# KiCad board alana-kb.kicad_pcb
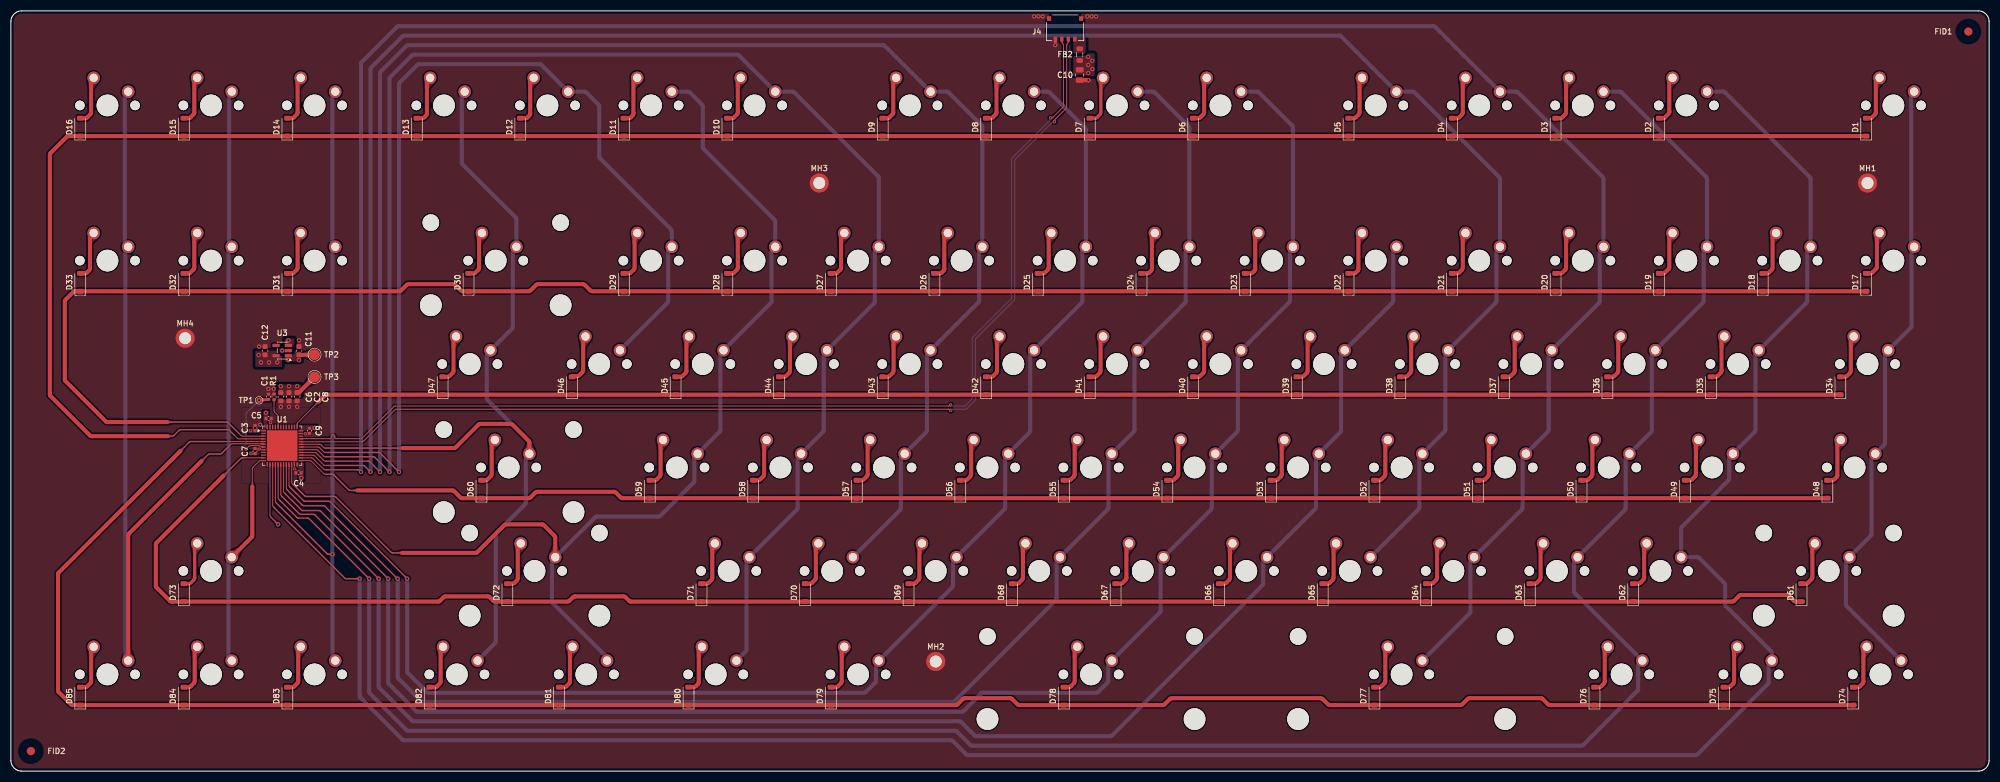
[diagram p0: board, top side]
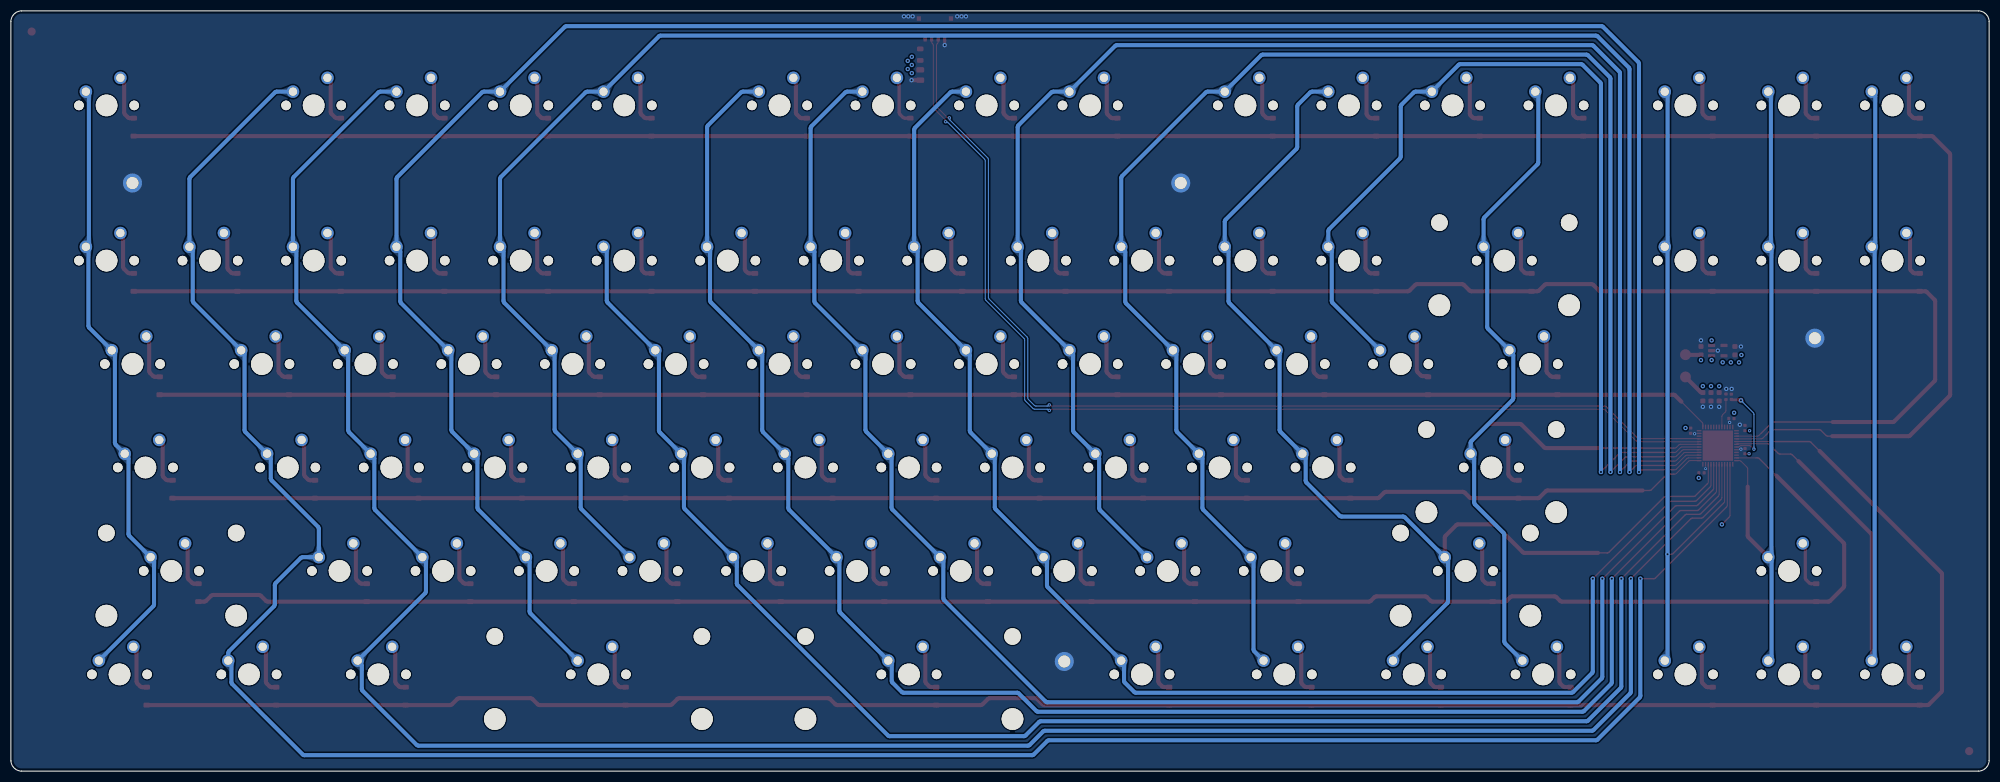
[diagram p1: board, bottom side, seen from below]

Outline 364 x 140 mm; copper layers: Top, In1.Cu, In2.Cu, Bottom. Coordinates in mm from the lower left corner of the outline.
Outline path: 0,138 arc(0.59,139.41) 2,140 362,140 arc(363.41,139.41) 364,138 364,2 arc(363.41,0.59) 362,0 2,0 arc(0.59,0.59) 0,2 0,138
Stack: Top 0.035mm / dielectric 0.1mm FR4 er 4.5 / In1.Cu 0.035mm / dielectric 1.24mm FR4 er 4.5 / In2.Cu 0.035mm / dielectric 0.1mm FR4 er 4.5 / Bottom 0.035mm

## Placement (name value [footprint] x y rotation side)
C1  0.1uF  [C_0402_1005Metric]  47.42 68.94 90 top
C2  4.7uF  [C_0603_1608Metric]  51.17 68.94 270 top
C3  0.1uF  [C_0402_1005Metric]  44.92 63.19 90 top
C4  0.1uF  [C_0402_1005Metric]  52.92 54.94 180 top
C5  0.1uF  [C_0402_1005Metric]  47.42 64.94 0 top
C6  1uF  [C_0603_1608Metric]  49.67 68.94 270 top
C7  10nF  [C_0402_1005Metric]  44.92 58.94 90 top
C8  4.7uF  [C_0603_1608Metric]  52.67 68.94 270 top
C9  0.1uF  [C_0402_1005Metric]  54.92 62.69 270 top
C10  10uF  [C_0805_2012Metric]  196.67 128.19 270 top
C11  1uF  [C_0603_1608Metric]  53.02 77.42 90 top
C12  1uF  [C_0603_1608Metric]  46.77 77.42 90 top
D1  1N4148W  [D_SOD-123]  341.39 118.59 90 top
D2  1N4148W  [D_SOD-123]  303.29 118.59 90 top
D3  1N4148W  [D_SOD-123]  284.24 118.59 90 top
D4  1N4148W  [D_SOD-123]  265.19 118.59 90 top
D5  1N4148W  [D_SOD-123]  246.14 118.59 90 top
D6  1N4148W  [D_SOD-123]  217.56 118.59 90 top
D7  1N4148W  [D_SOD-123]  198.51 118.59 90 top
D8  1N4148W  [D_SOD-123]  179.46 118.59 90 top
D9  1N4148W  [D_SOD-123]  160.41 118.59 90 top
D10  1N4148W  [D_SOD-123]  131.84 118.59 90 top
D11  1N4148W  [D_SOD-123]  112.79 118.59 90 top
D12  1N4148W  [D_SOD-123]  93.74 118.59 90 top
D13  1N4148W  [D_SOD-123]  74.69 118.59 90 top
D14  1N4148W  [D_SOD-123]  50.87 118.59 90 top
D15  1N4148W  [D_SOD-123]  31.82 118.59 90 top
D16  1N4148W  [D_SOD-123]  12.77 118.59 90 top
D17  1N4148W  [D_SOD-123]  341.39 90.01 90 top
D18  1N4148W  [D_SOD-123]  322.34 90.01 90 top
D19  1N4148W  [D_SOD-123]  303.29 90.01 90 top
D20  1N4148W  [D_SOD-123]  284.24 90.01 90 top
D21  1N4148W  [D_SOD-123]  265.19 90.01 90 top
D22  1N4148W  [D_SOD-123]  246.14 90.01 90 top
D23  1N4148W  [D_SOD-123]  227.09 90.01 90 top
D24  1N4148W  [D_SOD-123]  208.04 90.01 90 top
D25  1N4148W  [D_SOD-123]  188.99 90.01 90 top
D26  1N4148W  [D_SOD-123]  169.94 90.01 90 top
D27  1N4148W  [D_SOD-123]  150.89 90.01 90 top
D28  1N4148W  [D_SOD-123]  131.84 90.01 90 top
D29  1N4148W  [D_SOD-123]  112.79 90.01 90 top
D30  1N4148W  [D_SOD-123]  84.21 90.01 90 top
D31  1N4148W  [D_SOD-123]  50.87 90.01 90 top
D32  1N4148W  [D_SOD-123]  31.82 90.01 90 top
D33  1N4148W  [D_SOD-123]  12.77 90.01 90 top
D34  1N4148W  [D_SOD-123]  336.62 70.96 90 top
D35  1N4148W  [D_SOD-123]  312.81 70.96 90 top
D36  1N4148W  [D_SOD-123]  293.76 70.96 90 top
D37  1N4148W  [D_SOD-123]  274.71 70.96 90 top
D38  1N4148W  [D_SOD-123]  255.66 70.96 90 top
D39  1N4148W  [D_SOD-123]  236.61 70.96 90 top
D40  1N4148W  [D_SOD-123]  217.56 70.96 90 top
D41  1N4148W  [D_SOD-123]  198.51 70.96 90 top
D42  1N4148W  [D_SOD-123]  179.46 70.96 90 top
D43  1N4148W  [D_SOD-123]  160.41 70.96 90 top
D44  1N4148W  [D_SOD-123]  141.36 70.96 90 top
D45  1N4148W  [D_SOD-123]  122.31 70.96 90 top
D46  1N4148W  [D_SOD-123]  103.26 70.96 90 top
D47  1N4148W  [D_SOD-123]  79.45 70.96 90 top
D48  1N4148W  [D_SOD-123]  334.24 51.91 90 top
D49  1N4148W  [D_SOD-123]  308.05 51.91 90 top
D50  1N4148W  [D_SOD-123]  289 51.91 90 top
D51  1N4148W  [D_SOD-123]  269.95 51.91 90 top
D52  1N4148W  [D_SOD-123]  250.9 51.91 90 top
D53  1N4148W  [D_SOD-123]  231.85 51.91 90 top
D54  1N4148W  [D_SOD-123]  212.8 51.91 90 top
D55  1N4148W  [D_SOD-123]  193.75 51.91 90 top
D56  1N4148W  [D_SOD-123]  174.7 51.91 90 top
D57  1N4148W  [D_SOD-123]  155.65 51.91 90 top
D58  1N4148W  [D_SOD-123]  136.6 51.91 90 top
D59  1N4148W  [D_SOD-123]  117.55 51.91 90 top
D60  1N4148W  [D_SOD-123]  86.59 51.91 90 top
D61  1N4148W  [D_SOD-123]  329.48 32.86 90 top
D62  1N4148W  [D_SOD-123]  298.52 32.86 90 top
D63  1N4148W  [D_SOD-123]  279.47 32.86 90 top
D64  1N4148W  [D_SOD-123]  260.42 32.86 90 top
D65  1N4148W  [D_SOD-123]  241.37 32.86 90 top
D66  1N4148W  [D_SOD-123]  222.32 32.86 90 top
D67  1N4148W  [D_SOD-123]  203.27 32.86 90 top
D68  1N4148W  [D_SOD-123]  184.22 32.86 90 top
D69  1N4148W  [D_SOD-123]  165.17 32.86 90 top
D70  1N4148W  [D_SOD-123]  146.12 32.86 90 top
D71  1N4148W  [D_SOD-123]  127.07 32.86 90 top
D72  1N4148W  [D_SOD-123]  91.36 32.86 90 top
D73  1N4148W  [D_SOD-123]  31.82 32.86 90 top
D74  1N4148W  [D_SOD-123]  339.01 13.81 90 top
D75  1N4148W  [D_SOD-123]  315.19 13.81 90 top
D76  1N4148W  [D_SOD-123]  291.38 13.81 90 top
D77  1N4148W  [D_SOD-123]  250.9 13.81 90 top
D78  1N4148W  [D_SOD-123]  193.75 13.81 90 top
D79  1N4148W  [D_SOD-123]  150.89 13.81 90 top
D80  1N4148W  [D_SOD-123]  124.69 13.81 90 top
D81  1N4148W  [D_SOD-123]  100.88 13.81 90 top
D82  1N4148W  [D_SOD-123]  77.07 13.81 90 top
D83  1N4148W  [D_SOD-123]  50.87 13.81 90 top
D84  1N4148W  [D_SOD-123]  31.82 13.81 90 top
D85  1N4148W  [D_SOD-123]  12.77 13.81 90 top
FB2  120R @ 100MHz  [L_0805_2012Metric]  196.67 131.94 90 top
FID1  Fiducial  [Fiducial_1.5mm_Mask4.5mm]  360.17 136.19 0 top
FID2  Fiducial  [Fiducial_1.5mm_Mask4.5mm]  3.67 3.69 0 top
J4  0781710004  [CONN_781710000-SD_04_MOL]  193.97 136.89 180 top
MH1  MountingHole_Pad  [MountingHole_2.2mm_M2_ISO7380_Pad]  341.62 108.3 0 top
MH2  MountingHole_Pad  [MountingHole_2.2mm_M2_ISO7380_Pad]  170.17 20.19 0 top
MH3  MountingHole_Pad  [MountingHole_2.2mm_M2_ISO7380_Pad]  148.74 108.3 0 top
MH4  MountingHole_Pad  [MountingHole_2.2mm_M2_ISO7380_Pad]  32.06 79.72 0 top
MX1  MX_SW_solder  [SW_MX_1u]  346.39 122.59 180 bottom
MX2  MX_SW_solder  [SW_MX_1u]  308.29 122.59 180 bottom
MX3  MX_SW_solder  [SW_MX_1u]  289.24 122.59 180 bottom
MX4  MX_SW_solder  [SW_MX_1u]  270.19 122.59 180 bottom
MX5  MX_SW_solder  [SW_MX_1u]  251.14 122.59 180 bottom
MX6  MX_SW_solder  [SW_MX_1u]  222.56 122.59 180 bottom
MX7  MX_SW_solder  [SW_MX_1u]  203.51 122.59 180 bottom
MX8  MX_SW_solder  [SW_MX_1u]  184.46 122.59 180 bottom
MX9  MX_SW_solder  [SW_MX_1u]  165.41 122.59 180 bottom
MX10  MX_SW_solder  [SW_MX_1u]  136.84 122.59 180 bottom
MX11  MX_SW_solder  [SW_MX_1u]  117.79 122.59 180 bottom
MX12  MX_SW_solder  [SW_MX_1u]  98.74 122.59 180 bottom
MX13  MX_SW_solder  [SW_MX_1u]  79.69 122.59 180 bottom
MX14  MX_SW_solder  [SW_MX_1u]  55.87 122.59 180 bottom
MX15  MX_SW_solder  [SW_MX_1u]  36.82 122.59 180 bottom
MX16  MX_SW_solder  [SW_MX_1u]  17.77 122.59 180 bottom
MX17  MX_SW_solder  [SW_MX_1u]  346.39 94.01 180 bottom
MX18  MX_SW_solder  [SW_MX_1u]  327.34 94.01 180 bottom
MX19  MX_SW_solder  [SW_MX_1u]  308.29 94.01 180 bottom
MX20  MX_SW_solder  [SW_MX_1u]  289.24 94.01 180 bottom
MX21  MX_SW_solder  [SW_MX_1u]  270.19 94.01 180 bottom
MX22  MX_SW_solder  [SW_MX_1u]  251.14 94.01 180 bottom
MX23  MX_SW_solder  [SW_MX_1u]  232.09 94.01 180 bottom
MX24  MX_SW_solder  [SW_MX_1u]  213.04 94.01 180 bottom
MX25  MX_SW_solder  [SW_MX_1u]  193.99 94.01 180 bottom
MX26  MX_SW_solder  [SW_MX_1u]  174.94 94.01 180 bottom
MX27  MX_SW_solder  [SW_MX_1u]  155.89 94.01 180 bottom
MX28  MX_SW_solder  [SW_MX_1u]  136.84 94.01 180 bottom
MX29  MX_SW_solder  [SW_MX_1u]  117.79 94.01 180 bottom
MX30  MX_SW_solder  [SW_MX_1u]  89.21 94.01 180 bottom
MX31  MX_SW_solder  [SW_MX_1u]  55.87 94.01 180 bottom
MX32  MX_SW_solder  [SW_MX_1u]  36.82 94.01 180 bottom
MX33  MX_SW_solder  [SW_MX_1u]  17.77 94.01 180 bottom
MX34  MX_SW_solder  [SW_MX_1u]  341.62 74.96 180 bottom
MX35  MX_SW_solder  [SW_MX_1u]  317.81 74.96 180 bottom
MX36  MX_SW_solder  [SW_MX_1u]  298.76 74.96 180 bottom
MX37  MX_SW_solder  [SW_MX_1u]  279.71 74.96 180 bottom
MX38  MX_SW_solder  [SW_MX_1u]  260.66 74.96 180 bottom
MX39  MX_SW_solder  [SW_MX_1u]  241.61 74.96 180 bottom
MX40  MX_SW_solder  [SW_MX_1u]  222.56 74.96 180 bottom
MX41  MX_SW_solder  [SW_MX_1u]  203.51 74.96 180 bottom
MX42  MX_SW_solder  [SW_MX_1u]  184.46 74.96 180 bottom
MX43  MX_SW_solder  [SW_MX_1u]  165.41 74.96 180 bottom
MX44  MX_SW_solder  [SW_MX_1u]  146.36 74.96 180 bottom
MX45  MX_SW_solder  [SW_MX_1u]  127.31 74.96 180 bottom
MX46  MX_SW_solder  [SW_MX_1u]  108.26 74.96 180 bottom
MX47  MX_SW_solder  [SW_MX_1u]  84.45 74.96 180 bottom
MX48  MX_SW_solder  [SW_MX_1u]  339.24 55.91 180 bottom
MX49  MX_SW_solder  [SW_MX_1u]  313.05 55.91 180 bottom
MX50  MX_SW_solder  [SW_MX_1u]  294 55.91 180 bottom
MX51  MX_SW_solder  [SW_MX_1u]  274.95 55.91 180 bottom
MX52  MX_SW_solder  [SW_MX_1u]  255.9 55.91 180 bottom
MX53  MX_SW_solder  [SW_MX_1u]  236.85 55.91 180 bottom
MX54  MX_SW_solder  [SW_MX_1u]  217.8 55.91 180 bottom
MX55  MX_SW_solder  [SW_MX_1u]  198.75 55.91 180 bottom
MX56  MX_SW_solder  [SW_MX_1u]  179.7 55.91 180 bottom
MX57  MX_SW_solder  [SW_MX_1u]  160.65 55.91 180 bottom
MX58  MX_SW_solder  [SW_MX_1u]  141.6 55.91 180 bottom
MX59  MX_SW_solder  [SW_MX_1u]  122.55 55.91 180 bottom
MX60  MX_SW_solder  [SW_MX_1u]  91.59 55.91 180 bottom
MX61  MX_SW_solder  [SW_MX_1u]  334.48 36.86 180 bottom
MX62  MX_SW_solder  [SW_MX_1u]  303.52 36.86 180 bottom
MX63  MX_SW_solder  [SW_MX_1u]  284.47 36.86 180 bottom
MX64  MX_SW_solder  [SW_MX_1u]  265.42 36.86 180 bottom
MX65  MX_SW_solder  [SW_MX_1u]  246.37 36.86 180 bottom
MX66  MX_SW_solder  [SW_MX_1u]  227.32 36.86 180 bottom
MX67  MX_SW_solder  [SW_MX_1u]  208.27 36.86 180 bottom
MX68  MX_SW_solder  [SW_MX_1u]  189.22 36.86 180 bottom
MX69  MX_SW_solder  [SW_MX_1u]  170.17 36.86 180 bottom
MX70  MX_SW_solder  [SW_MX_1u]  151.12 36.86 180 bottom
MX71  MX_SW_solder  [SW_MX_1u]  132.07 36.86 180 bottom
MX72  MX_SW_solder  [SW_MX_1u]  96.36 36.86 180 bottom
MX73  MX_SW_solder  [SW_MX_1u]  36.82 36.86 180 bottom
MX74  MX_SW_solder  [SW_MX_1u]  344.01 17.81 180 bottom
MX75  MX_SW_solder  [SW_MX_1u]  320.19 17.81 180 bottom
MX76  MX_SW_solder  [SW_MX_1u]  296.38 17.81 180 bottom
MX77  MX_SW_solder  [SW_MX_1u]  255.9 17.81 180 bottom
MX78  MX_SW_solder  [SW_MX_1u]  198.75 17.81 180 bottom
MX79  MX_SW_solder  [SW_MX_1u]  155.89 17.81 180 bottom
MX80  MX_SW_solder  [SW_MX_1u]  129.69 17.81 180 bottom
MX81  MX_SW_solder  [SW_MX_1u]  105.88 17.81 180 bottom
MX82  MX_SW_solder  [SW_MX_1u]  82.07 17.81 180 bottom
MX83  MX_SW_solder  [SW_MX_1u]  55.87 17.81 180 bottom
MX84  MX_SW_solder  [SW_MX_1u]  36.82 17.81 180 bottom
MX85  MX_SW_solder  [SW_MX_1u]  17.77 17.81 180 bottom
R1  10K  [R_0402_1005Metric]  48.42 68.94 90 top
REF**  -  [Stabilizer_Cherry_MX_3.00u]  255.9 17.81 180 bottom
REF**#2  -  [Stabilizer_Cherry_MX_2.00u]  96.36 36.86 180 bottom
REF**#3  -  [Stabilizer_Cherry_MX_2.00u]  334.48 36.86 180 bottom
REF**#4  -  [Stabilizer_Cherry_MX_3.00u]  198.75 17.81 180 bottom
REF**#5  -  [Stabilizer_Cherry_MX_2.00u]  91.59 55.91 180 bottom
REF**#6  -  [Stabilizer_Cherry_MX_2.00u]  89.21 94.01 180 bottom
TP1  TestPoint  [TestPoint_Pad_D1.0mm]  45.67 68.29 0 top
TP2  TestPoint  [TestPoint_Pad_D2.0mm]  55.87 76.69 180 top
TP3  TestPoint  [TestPoint_Pad_D2.0mm]  55.87 72.59 180 top
U1  STM32F072CBUx  [QFN-48-1EP_7x7mm_P0.5mm_EP5.6x5.6mm]  49.92 59.94 0 top
U3  AP2112K-3.3TRG1  [SOT-23-5]  49.92 77.44 180 top

## Library data of the parts
C1 C3-C5 C9 = -: Description: CAP CER 0.1UF 25V X5R 0402; Manufacturer: Samsung Electro-Mechanics; Manufacturer Product Number: CL05A104KA5NNNC; ki_fp_filters: C_*
C2 C8 = -: Description: CAP CER 4.7UF 10V X5R 0603; Manufacturer: Samsung Electro-Mechanics; Manufacturer Product Number: CL10A475KP8NNNC; ki_fp_filters: C_*
C6 C11 C12 = -: Description: CAP CER 1UF 16V X7R 0603; Manufacturer: KEMET; Manufacturer Product Number: C0603C105K4RACTU; ki_fp_filters: C_*
C7 = -: Description: CAP CER 0402 10NF 16V X7R 10%; Manufacturer: KEMET; Manufacturer Product Number: C0402C103K4REC7411; ki_fp_filters: C_*
C10 = -: Description: CAP CER 10UF 10V X5R 0805; Manufacturer: KEMET; Manufacturer Product Number: C0805C106K8PACTU; ki_fp_filters: C_*
D1-D85 = -: Datasheet: https://www.vishay.com/docs/85748/1n4148w.pdf; Description: 75V 0.15A Fast Switching Diode, SOD-123; Sim.Device: D; Sim.Pins: 1=K 2=A; Manufacturer: Vishay General Semiconductor - Diodes Division; Manufacturer Product Number: 1N4148W-G3-08; ki_fp_filters: D*SOD?123*
FB2 = -: Description: FERRITE BEAD 120 OHM 0603 1LN; Manufacturer: Murata Electronics; Manufacturer Product Number: BLM18PG121SN1D; ki_fp_filters: Inductor_* L_* *Ferrite*
FID1 FID2 = -: Description: Fiducial Marker; ki_fp_filters: Fiducial*
J4 = -: Datasheet: https://www.molex.com/en-us/products/part-detail/781710004?display=pdf; Description: CONN HEADER SMD 4POS 1.2MM; Manufacturer: Molex; ki_fp_filters: Connector*:*_1x??_*
MH1-MH4 = -: Description: Mounting Hole with connection; ki_fp_filters: MountingHole*Pad*
MX1-MX85 = -: Description: Push button switch, normally open, two pins, 45° tilted
R1 = -: Description: RES 10K OHM 5% 1/16W 0402; Manufacturer: YAGEO; Manufacturer Product Number: RC0402JR-0710KL; ki_fp_filters: R_*
TP1-TP3 = -: Description: test point; ki_fp_filters: Pin* Test*
U1 = -: Datasheet: https://www.st.com/resource/en/datasheet/stm32f072c8.pdf; Description: IC MCU 32BIT 128KB FLSH 48UFQFPN; Manufacturer: STMicroelectronics; Manufacturer Product Number: STM32F072CBU7
U3 = -: Datasheet: https://www.diodes.com/assets/Datasheets/AP2112.pdf; Description: IC REG LINEAR 3.3V 600MA SOT-25; Manufacturer: Diodes Incorporated

## Footprints (pads in the part's own frame, mm; a bottom-side part is the same pattern mirrored in y, then rotated)
C_0402_1005Metric
  rrect 0.56x0.62 smd: 1(-0.48,0) 2(0.48,0)
C_0603_1608Metric
  rrect 0.9x0.95 smd: 1(-0.775,0) 2(0.775,0)
C_0805_2012Metric
  rrect 1x1.45 smd: 1(-0.95,0) 2(0.95,0)
CONN_781710000-SD_04_MOL
  rect 0.61x0.889 smd: 1(-1.8,2.083) 2(-0.6,2.083) 3(0.6,2.083) 4(1.8,2.083)
  rect 0.762x0.838 smd: 5(-2.95,-1.692) 6(2.95,-1.692)
D_SOD-123
  rrect 0.9x1.2 smd: 1(-1.65,0) 2(1.65,0)
Fiducial_1.5mm_Mask4.5mm
  round 1.5 smd: (0,0)
L_0805_2012Metric
  rrect 0.875x1.2 smd: 1(-1.062,0) 2(1.062,0)
MountingHole_2.2mm_M2_ISO7380_Pad
  round 3.5 hole 2.2: 1(0,0)
QFN-48-1EP_7x7mm_P0.5mm_EP5.6x5.6mm
  rrect 1.13x1.13 smd: (-2.1,2.1) (-2.1,0.7) (-2.1,-0.7) (-2.1,-2.1) (-0.7,2.1) (-0.7,0.7) (-0.7,-0.7) (-0.7,-2.1) (0.7,2.1) (0.7,0.7) (0.7,-0.7) (0.7,-2.1) (2.1,2.1) (2.1,0.7) (2.1,-0.7) (2.1,-2.1)
  rrect 0.875x0.25 smd: 1(-3.438,2.75) 2(-3.438,2.25) 3(-3.438,1.75) 4(-3.438,1.25) 5(-3.438,0.75) 6(-3.438,0.25) 7(-3.438,-0.25) 8(-3.438,-0.75) 9(-3.438,-1.25) 10(-3.438,-1.75) 11(-3.438,-2.25) 12(-3.438,-2.75) 25(3.438,-2.75) 26(3.438,-2.25) 27(3.438,-1.75) 28(3.438,-1.25) 29(3.438,-0.75) 30(3.438,-0.25) 31(3.438,0.25) 32(3.438,0.75) 33(3.438,1.25) 34(3.438,1.75) 35(3.438,2.25) 36(3.438,2.75)
  rrect 0.25x0.875 smd: 13(-2.75,-3.438) 14(-2.25,-3.438) 15(-1.75,-3.438) 16(-1.25,-3.438) 17(-0.75,-3.438) 18(-0.25,-3.438) 19(0.25,-3.438) 20(0.75,-3.438) 21(1.25,-3.438) 22(1.75,-3.438) 23(2.25,-3.438) 24(2.75,-3.438) 37(2.75,3.438) 38(2.25,3.438) 39(1.75,3.438) 40(1.25,3.438) 41(0.75,3.438) 42(0.25,3.438) 43(-0.25,3.438) 44(-0.75,3.438) 45(-1.25,3.438) 46(-1.75,3.438) 47(-2.25,3.438) 48(-2.75,3.438)
  rect 5.6x5.6 smd: 49(0,0)
R_0402_1005Metric
  rrect 0.54x0.64 smd: 1(-0.51,0) 2(0.51,0)
SOT-23-5
  rrect 1.325x0.6 smd: 1(-1.137,0.95) 2(-1.137,0) 3(-1.137,-0.95) 4(1.137,-0.95) 5(1.137,0.95)
Stabilizer_Cherry_MX_2.00u
  round 3.988 hole 3.988 unplated: (-11.938,-8.225) (11.938,-8.225)
  round 3.048 hole 3.048 unplated: (-11.938,6.985) (11.938,6.985)
Stabilizer_Cherry_MX_3.00u
  round 3.988 hole 3.988 unplated: (-19.05,-8.225) (19.05,-8.225)
  round 3.048 hole 3.048 unplated: (-19.05,6.985) (19.05,6.985)
SW_MX_1u
  round 1.75 hole 1.75 unplated: (-5.08,0) (5.08,0)
  round 3.988 hole 3.988 unplated: (0,0)
  round 2.3 hole 1.524: 1(-3.81,2.54) 2(2.54,5.08)
TestPoint_Pad_D1.0mm
  round 1 smd: 1(0,0)
TestPoint_Pad_D2.0mm
  round 2 smd: 1(0,0)

## Nets
/Power Supply/3V3: C2.1 C3.1 C4.1 C5.1 C6.1 C7.1 C8.1 C9.1 C12.1 TP3.1 U1.1 U1.9 U1.24 U1.36 U1.48 U3.5
/Power Supply/5V0: C10.1 C11.1 FB2.1 TP2.1 U3.1 U3.3
/USB C/VBUS: FB2.2 J4.1
GND: C1.2 C2.2 C3.2 C4.2 C5.2 C6.2 C7.2 C8.2 C9.2 C10.2 C11.2 C12.2 J4.4 J4.5 J4.6 MH1.1 MH2.1 MH3.1 MH4.1 R1.2 U1.8 U1.23 U1.35 U1.47 U1.49 U3.2
/Keyboard Matrix/C1: MX1.1 MX17.1 MX34.1 MX48.1 MX61.1 MX74.1 U1.14
/Keyboard Matrix/C2: MX2.1 MX18.1 MX35.1 MX49.1 MX62.1 MX75.1 U1.15
/Keyboard Matrix/C3: MX3.1 MX19.1 MX36.1 MX50.1 MX63.1 MX76.1 U1.17
/Keyboard Matrix/C4: MX4.1 MX20.1 MX37.1 MX51.1 MX64.1 MX77.1 U1.26
/Keyboard Matrix/C5: MX5.1 MX21.1 MX38.1 MX52.1 MX65.1 U1.27
/Keyboard Matrix/C6: MX22.1 MX39.1 MX53.1 MX66.1 U1.18
/Keyboard Matrix/C7: MX6.1 MX23.1 MX40.1 MX54.1 MX67.1 MX78.1 U1.19
/Keyboard Matrix/C8: MX7.1 MX24.1 MX41.1 MX55.1 MX68.1 U1.20
/Keyboard Matrix/C9: MX8.1 MX25.1 MX42.1 MX56.1 MX69.1 MX79.1 U1.21
/Keyboard Matrix/C10: MX9.1 MX26.1 MX43.1 MX57.1 MX70.1 U1.28
/Keyboard Matrix/C11: MX10.1 MX27.1 MX44.1 MX58.1 MX71.1 MX80.1 U1.29
/Keyboard Matrix/C12: MX11.1 MX28.1 MX45.1 MX59.1 MX72.1 MX81.1 U1.22
/Keyboard Matrix/C13: MX12.1 MX29.1 MX46.1 U1.30
/Keyboard Matrix/C14: MX13.1 MX30.1 MX47.1 MX60.1 MX82.1 U1.31
/Keyboard Matrix/C15: MX14.1 MX31.1 MX83.1 U1.16
/Keyboard Matrix/C16: MX15.1 MX32.1 MX73.1 MX84.1 U1.12
/Keyboard Matrix/C17: MX16.1 MX33.1 MX85.1 U1.6
/Keyboard Matrix/R1: D1.1 D2.1 D3.1 D4.1 D5.1 D6.1 D7.1 D8.1 D9.1 D10.1 D11.1 D12.1 D13.1 D14.1 D15.1 D16.1 U1.4
/Keyboard Matrix/R2: D17.1 D18.1 D19.1 D20.1 D21.1 D22.1 D23.1 D24.1 D25.1 D26.1 D27.1 D28.1 D29.1 D30.1 D31.1 D32.1 D33.1 U1.3
/Keyboard Matrix/R3: D34.1 D35.1 D36.1 D37.1 D38.1 D39.1 D40.1 D41.1 D42.1 D43.1 D44.1 D45.1 D46.1 D47.1 U1.37
/Keyboard Matrix/R4: D48.1 D49.1 D50.1 D51.1 D52.1 D53.1 D54.1 D55.1 D56.1 D57.1 D58.1 D59.1 D60.1 U1.25
/Keyboard Matrix/R5: D61.1 D62.1 D63.1 D64.1 D65.1 D66.1 D67.1 D68.1 D69.1 D70.1 D71.1 D72.1 D73.1 U1.11
/Keyboard Matrix/R6: D74.1 D75.1 D76.1 D77.1 D78.1 D79.1 D80.1 D81.1 D82.1 D83.1 D84.1 D85.1 U1.5
/STM32/BOOT0: R1.1 U1.44
/STM32/MCU_D_N: J4.2 U1.32
/STM32/MCU_D_P: J4.3 U1.33
/STM32/NRST: C1.1 TP1.1 U1.7
Net-(D1-A): D1.2 MX1.2
Net-(D2-A): D2.2 MX2.2
Net-(D3-A): D3.2 MX3.2
Net-(D4-A): D4.2 MX4.2
Net-(D5-A): D5.2 MX5.2
Net-(D6-A): D6.2 MX6.2
Net-(D7-A): D7.2 MX7.2
Net-(D8-A): D8.2 MX8.2
Net-(D9-A): D9.2 MX9.2
Net-(D10-A): D10.2 MX10.2
Net-(D11-A): D11.2 MX11.2
Net-(D12-A): D12.2 MX12.2
Net-(D13-A): D13.2 MX13.2
Net-(D14-A): D14.2 MX14.2
Net-(D15-A): D15.2 MX15.2
Net-(D16-A): D16.2 MX16.2
Net-(D17-A): D17.2 MX17.2
Net-(D18-A): D18.2 MX18.2
Net-(D19-A): D19.2 MX19.2
Net-(D20-A): D20.2 MX20.2
Net-(D21-A): D21.2 MX21.2
Net-(D22-A): D22.2 MX22.2
Net-(D23-A): D23.2 MX23.2
Net-(D24-A): D24.2 MX24.2
Net-(D25-A): D25.2 MX25.2
Net-(D26-A): D26.2 MX26.2
Net-(D27-A): D27.2 MX27.2
Net-(D28-A): D28.2 MX28.2
Net-(D29-A): D29.2 MX29.2
Net-(D30-A): D30.2 MX30.2
Net-(D31-A): D31.2 MX31.2
Net-(D32-A): D32.2 MX32.2
Net-(D33-A): D33.2 MX33.2
Net-(D34-A): D34.2 MX34.2
Net-(D35-A): D35.2 MX35.2
Net-(D36-A): D36.2 MX36.2
Net-(D37-A): D37.2 MX37.2
Net-(D38-A): D38.2 MX38.2
Net-(D39-A): D39.2 MX39.2
Net-(D40-A): D40.2 MX40.2
Net-(D41-A): D41.2 MX41.2
Net-(D42-A): D42.2 MX42.2
Net-(D43-A): D43.2 MX43.2
Net-(D44-A): D44.2 MX44.2
Net-(D45-A): D45.2 MX45.2
Net-(D46-A): D46.2 MX46.2
Net-(D47-A): D47.2 MX47.2
Net-(D48-A): D48.2 MX48.2
Net-(D49-A): D49.2 MX49.2
Net-(D50-A): D50.2 MX50.2
Net-(D51-A): D51.2 MX51.2
Net-(D52-A): D52.2 MX52.2
Net-(D53-A): D53.2 MX53.2
Net-(D54-A): D54.2 MX54.2
Net-(D55-A): D55.2 MX55.2
Net-(D56-A): D56.2 MX56.2
Net-(D57-A): D57.2 MX57.2
Net-(D58-A): D58.2 MX58.2
Net-(D59-A): D59.2 MX59.2
Net-(D60-A): D60.2 MX60.2
Net-(D61-A): D61.2 MX61.2
Net-(D62-A): D62.2 MX62.2
Net-(D63-A): D63.2 MX63.2
Net-(D64-A): D64.2 MX64.2
Net-(D65-A): D65.2 MX65.2
Net-(D66-A): D66.2 MX66.2
Net-(D67-A): D67.2 MX67.2
Net-(D68-A): D68.2 MX68.2
Net-(D69-A): D69.2 MX69.2
Net-(D70-A): D70.2 MX70.2
Net-(D71-A): D71.2 MX71.2
Net-(D72-A): D72.2 MX72.2
Net-(D73-A): D73.2 MX73.2
Net-(D74-A): D74.2 MX74.2
Net-(D75-A): D75.2 MX75.2
Net-(D76-A): D76.2 MX76.2
Net-(D77-A): D77.2 MX77.2
Net-(D78-A): D78.2 MX78.2
Net-(D79-A): D79.2 MX79.2
Net-(D80-A): D80.2 MX80.2
Net-(D81-A): D81.2 MX81.2
Net-(D82-A): D82.2 MX82.2
Net-(D83-A): D83.2 MX83.2
Net-(D84-A): D84.2 MX84.2
Net-(D85-A): D85.2 MX85.2

Pads without a net: U1 2 10 13 34 38 39 40 41 42 43 45 46; U3 4

## Via types
v1: diameter 0.6, hole 0.3, Top to Bottom, 10 vias
v2: diameter 0.8, hole 0.4, Top to Bottom, 49 vias
v3: diameter 0.5, hole 0.25, Top to Bottom, 1 via
